# KiCad board the-nicholas-van V1.kicad_pcb
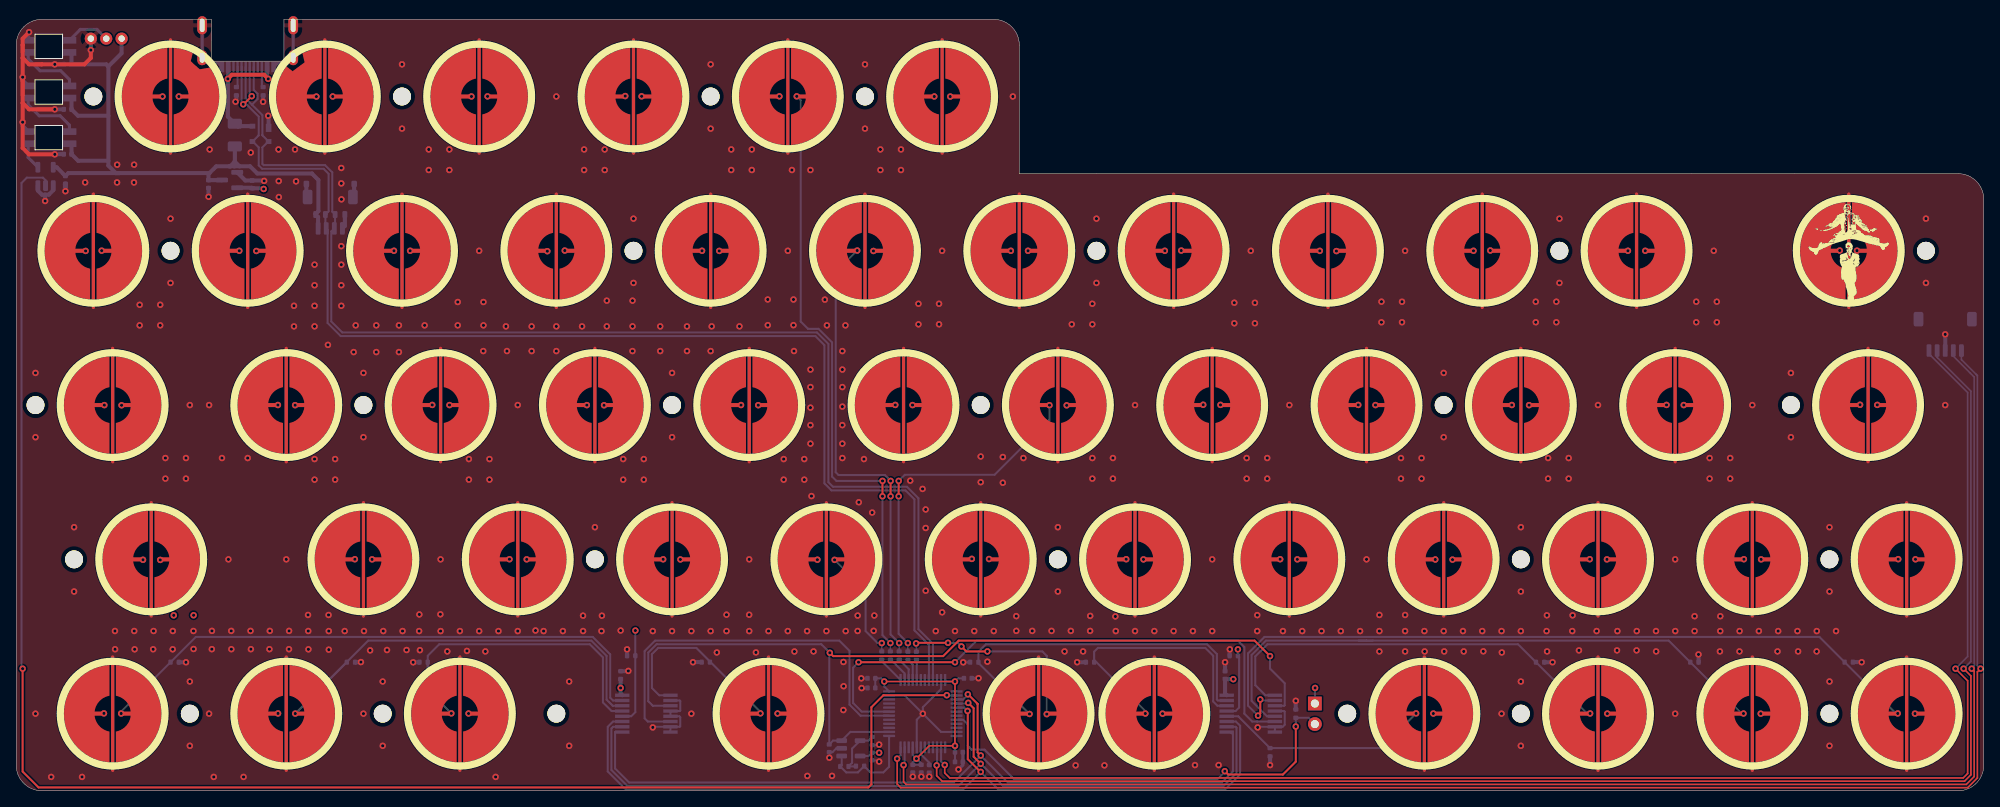
[diagram p0: board, top side]
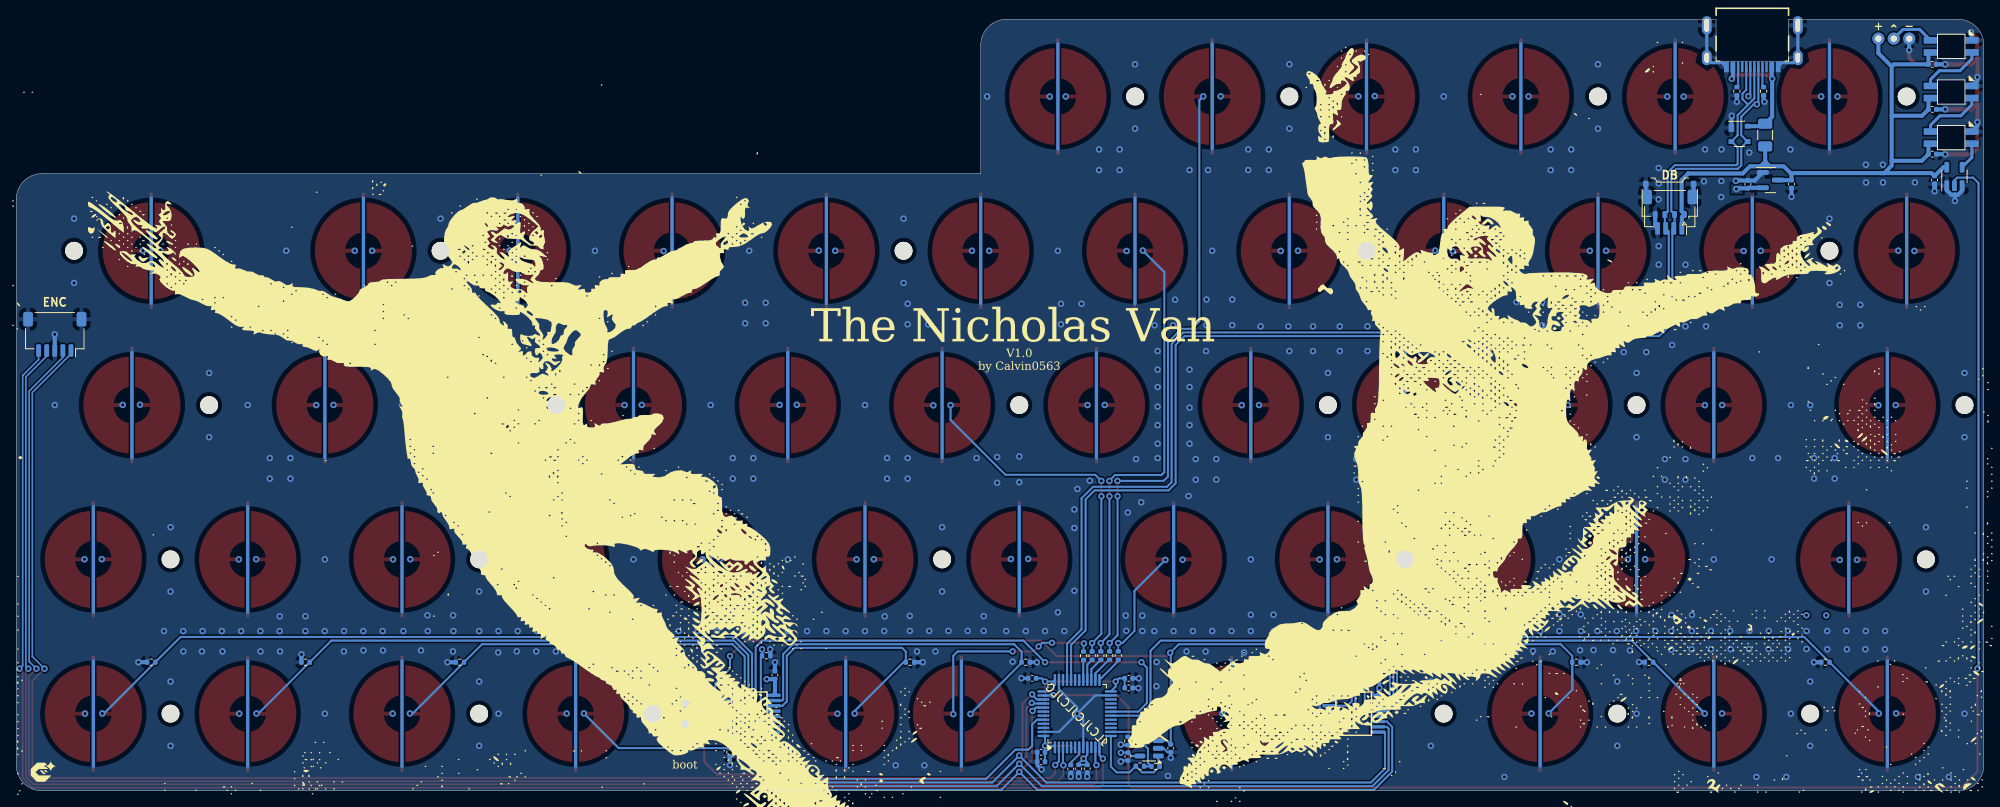
[diagram p1: board, bottom side, seen from below]

Outline 242.89 x 95.25 mm; copper layers: Top, In1.Cu, In2.Cu, Bottom. Coordinates in mm from the lower left corner of the outline.
Outline path: 0,92.08 arc(0.93,94.32) 3.18,95.25 24.11,95.25 24.11,90.09 33.05,90.09 33.05,95.25 120.65,95.25 arc(122.9,94.32) 123.83,92.08 123.83,76.2 239.71,76.2 arc(241.96,75.27) 242.89,73.03 242.89,3.18 arc(241.96,0.93) 239.71,0 3.18,0 arc(0.93,0.93) 0,3.18 0,92.08
Stack: Top 0.035mm / dielectric 0.2mm 7628 er 4.6 / In1.Cu 0.0175mm / dielectric 1.065mm FR4 er 4.5 / In2.Cu 0.0175mm / dielectric 0.2mm 7628 er 4.6 / Bottom 0.035mm

## Placement (name value [footprint] x y rotation side)
C1  100nf  [C_0402_1005Metric]  117.48 13.89 0 bottom
C2  100nf  [C_0402_1005Metric]  105.57 12.7 180 bottom
C3  100nf  [C_0402_1005Metric]  116.37 4.76 0 bottom
C4  100nf  [C_0402_1005Metric]  105.57 13.89 180 bottom
C5  10uF  [C_0402_1005Metric]  116.37 3.58 0 bottom
C6  100nf  [C_0402_1005Metric]  110.67 2.73 270 bottom
C7  100nf  [C_0402_1005Metric]  112.71 2.71 270 bottom
C8  1uF  [C_0402_1005Metric]  111.73 2.73 270 bottom
C9  100n  [C_0402_1005Metric]  6.35 89.69 180 bottom
C10  100n  [C_0402_1005Metric]  6.35 84.14 180 bottom
C11  100n  [C_0402_1005Metric]  6.35 78.6 180 bottom
C12  100n  [C_0402_1005Metric]  6.08 75.43 270 bottom
C13  1u  [C_0402_1005Metric]  23.74 74.91 270 bottom
C14  1u  [C_0402_1005Metric]  29.13 74.87 90 bottom
C15  100nF  [C_0402_1005Metric]  105.65 4.24 90 bottom
C16  100n  [C_0402_1005Metric]  74.61 14.29 90 bottom
C17  220pF NP0  [C_0402_1005Metric]  100.36 5.25 270 bottom
C18  100n  [C_0402_1005Metric]  149.23 14.29 90 bottom
D1  PRTR5V0U2X  [SOT-143]  30.16 81.11 180 bottom
F_USBC1  500mA  [Fuse_1206_3216Metric]  26.99 80.96 270 bottom
G***  -  [LOGO]  226.22 66.68 0 top
G***#2  -  [LOGO]  105.57 35.72 180 bottom
G***#3  -  [LOGO]  239.71 2.38 180 bottom
H1  MountingHole  [HOLE_M2]  9.53 85.73 0 top
H2  MountingHole  [HOLE_M2]  47.62 85.73 0 top
H3  MountingHole  [HOLE_M2]  85.72 85.73 0 top
H4  MountingHole  [HOLE_M2]  104.77 85.73 0 top
H5  MountingHole  [HOLE_M2]  19.05 66.68 0 top
H6  MountingHole  [HOLE_M2]  76.2 66.68 0 top
H7  MountingHole  [HOLE_M2]  133.35 66.68 0 top
H8  MountingHole  [HOLE_M2]  190.5 66.68 0 top
H9  MountingHole  [HOLE_M2]  235.74 66.68 0 top
H10  MountingHole  [HOLE_M2]  2.38 47.62 0 top
H11  MountingHole  [HOLE_M2]  42.86 47.62 0 top
H12  MountingHole  [HOLE_M2]  80.96 47.62 0 top
H13  MountingHole  [HOLE_M2]  119.06 47.62 0 top
H14  MountingHole  [HOLE_M2]  176.21 47.62 0 top
H15  MountingHole  [HOLE_M2]  219.08 47.62 0 top
H16  MountingHole  [HOLE_M2]  7.14 28.58 0 top
H17  MountingHole  [HOLE_M2]  71.44 28.58 0 top
H18  MountingHole  [HOLE_M2]  128.59 28.58 0 top
H19  MountingHole  [HOLE_M2]  185.74 28.58 0 top
H20  MountingHole  [HOLE_M2]  223.84 28.58 0 top
H21  MountingHole  [HOLE_M2]  21.43 9.53 0 top
H22  MountingHole  [HOLE_M2]  45.24 9.53 0 top
H23  MountingHole  [HOLE_M2]  66.67 9.53 0 top
H24  MountingHole  [HOLE_M2]  164.31 9.53 0 top
H25  MountingHole  [HOLE_M2]  185.74 9.53 0 top
H26  MountingHole  [HOLE_M2]  223.84 9.53 0 top
J1  JST SH  [JST_SH_SM04B-SRSS-TB_1x04-1MP_P1.00mm_Horizontal]  38.77 71.44 0 bottom
J2  Pico EZmate  [Molex_Pico-EZmate_78171-0004_1x04-1MP_P1.20mm_Vertical]  38.77 73.03 0 bottom
J3  ARGB  [PinHeader_1x03_P1.27mm_Vertical]  9.84 92.87 270 bottom
J4  USB_C sink board 1.3mm  [USB4510031A]  28.57 93.36 0 bottom
J5  Conn_01x05  [JST_SH_SM05B-SRSS-TB_1x05-1MP_P1.00mm_Horizontal]  238.12 56.36 0 bottom
LED1  SK6812MINI-E  [SK6812-MINI-E]  4.03 80.65 180 bottom
LED2  SK6812MINI-E  [SK6812-MINI-E]  4.02 86.28 180 bottom
LED3  SK6812MINI-E  [SK6812-MINI-E]  4.02 91.91 180 bottom
R1  100  [R_0402_1005Metric]  111.12 16.67 90 bottom
R2  100  [R_0402_1005Metric]  106.85 16.7 270 bottom
R3  100  [R_0402_1005Metric]  107.91 16.7 90 bottom
R4  100  [R_0402_1005Metric]  109 16.7 90 bottom
R5  100  [R_0402_1005Metric]  110.07 16.69 90 bottom
R6  5.1k  [R_0402_1005Metric]  27.18 86.38 270 bottom
R7  5.1k  [R_0402_1005Metric]  30.48 86.38 270 bottom
R8  10k  [R_0402_1005Metric]  157.96 9.53 90 bottom
R9  100k  [R_0402_1005Metric]  50.29 15.88 180 bottom
R10  100k  [R_0402_1005Metric]  41.32 15.88 0 bottom
R11  100k  [R_0402_1005Metric]  19.56 15.88 0 bottom
R12  100k  [R_0402_1005Metric]  75.92 16.67 180 bottom
R13  100k  [R_0402_1005Metric]  85.12 15.89 180 bottom
R14  100k  [R_0402_1005Metric]  102.23 3.01 0 bottom
R15  1k  [R_0402_1005Metric]  105.67 6.15 270 bottom
R16  DNP  [R_0402_1005Metric]  104.17 3.04 180 bottom
R17  100k  [R_0402_1005Metric]  150.3 16.67 180 bottom
R18  100k  [R_0402_1005Metric]  132.56 15.88 180 bottom
R19  100k  [R_0402_1005Metric]  118.27 15.88 180 bottom
R20  100k  [R_0402_1005Metric]  154.78 4.76 270 bottom
R21  100k  [R_0402_1005Metric]  188.12 15.88 0 bottom
R22  100k  [R_0402_1005Metric]  207.17 15.88 0 bottom
R23  100k  [R_0402_1005Metric]  226.22 15.89 0 bottom
SW1  SKQGABE010  [PinSocket_1x02_P2.54mm_Vertical]  160.31 10.78 180 bottom
SW_EC1  Topre  [ecs_pad_1U_no_ring]  19.05 85.73 180 top
SW_EC2  Topre  [ecs_pad_1U_no_ring]  38.1 85.73 180 top
SW_EC3  Topre  [ecs_pad_1U_no_ring]  57.15 85.73 180 top
SW_EC4  Topre  [ecs_pad_1U_no_ring]  76.2 85.73 180 top
SW_EC5  Topre  [ecs_pad_1U_no_ring]  95.25 85.73 180 top
SW_EC6  Topre  [ecs_pad_1U_no_ring]  114.3 85.73 180 top
SW_EC7  Topre  [ecs_pad_1U_no_ring]  9.53 66.68 0 top
SW_EC8  Topre  [ecs_pad_1U_no_ring]  28.57 66.68 0 top
SW_EC9  Topre  [ecs_pad_1U_no_ring]  47.62 66.68 0 top
SW_EC10  Topre  [ecs_pad_1U_no_ring]  66.67 66.68 0 top
SW_EC11  Topre  [ecs_pad_1U_no_ring]  85.72 66.68 0 top
SW_EC12  Topre  [ecs_pad_1U_no_ring]  104.77 66.68 0 top
SW_EC13  Topre  [ecs_pad_1U_no_ring]  123.83 66.68 0 top
SW_EC14  Topre  [ecs_pad_1U_no_ring]  142.88 66.68 0 top
SW_EC15  Topre  [ecs_pad_1U_no_ring]  161.93 66.68 0 top
SW_EC16  Topre  [ecs_pad_1U_no_ring]  180.98 66.68 0 top
SW_EC17  Topre  [ecs_pad_1U_no_ring]  200.03 66.68 0 top
SW_EC18  Topre  [ecs_pad_1U_no_ring]  226.22 66.68 0 top
SW_EC19  Topre  [ecs_pad_1U_no_ring]  11.91 47.62 0 top
SW_EC20  Topre  [ecs_pad_1U_no_ring]  33.34 47.62 0 top
SW_EC21  Topre  [ecs_pad_1U_no_ring]  52.39 47.62 0 top
SW_EC22  Topre  [ecs_pad_1U_no_ring]  71.44 47.62 0 top
SW_EC23  Topre  [ecs_pad_1U_no_ring]  90.49 47.62 0 top
SW_EC24  Topre  [ecs_pad_1U_no_ring]  109.54 47.62 0 top
SW_EC25  Topre  [ecs_pad_1U_no_ring]  128.59 47.62 0 top
SW_EC26  Topre  [ecs_pad_1U_no_ring]  147.64 47.62 0 top
SW_EC27  Topre  [ecs_pad_1U_no_ring]  166.69 47.62 0 top
SW_EC28  Topre  [ecs_pad_1U_no_ring]  185.74 47.62 0 top
SW_EC29  Topre  [ecs_pad_1U_no_ring]  204.79 47.62 0 top
SW_EC30  Topre  [ecs_pad_1U_no_ring]  228.6 47.62 0 top
SW_EC31  Topre  [ecs_pad_1U_no_ring]  16.67 28.58 0 top
SW_EC32  Topre  [ecs_pad_1U_no_ring]  42.86 28.58 180 top
SW_EC33  Topre  [ecs_pad_1U_no_ring]  61.91 28.58 180 top
SW_EC34  Topre  [ecs_pad_1U_no_ring]  80.96 28.58 180 top
SW_EC35  Topre  [ecs_pad_1U_no_ring]  100.01 28.58 180 top
SW_EC36  Topre  [ecs_pad_1U_no_ring]  119.06 28.58 0 top
SW_EC37  Topre  [ecs_pad_1U_no_ring]  138.11 28.58 180 top
SW_EC38  Topre  [ecs_pad_1U_no_ring]  157.16 28.58 180 top
SW_EC39  Topre  [ecs_pad_1U_no_ring]  176.21 28.58 180 top
SW_EC40  Topre  [ecs_pad_1U_no_ring]  195.26 28.58 180 top
SW_EC41  Topre  [ecs_pad_1U_no_ring]  214.31 28.58 180 top
SW_EC42  Topre  [ecs_pad_1U_no_ring]  233.36 28.58 0 top
SW_EC43  Topre  [ecs_pad_1U_no_ring]  11.91 9.53 0 top
SW_EC44  Topre  [ecs_pad_1U_no_ring]  33.34 9.53 0 top
SW_EC45  Topre  [ecs_pad_1U_no_ring]  54.77 9.53 180 top
SW_EC46  Topre  [ecs_pad_1U_no_ring]  92.87 9.53 180 top
SW_EC47  Topre  [ecs_pad_1U_no_ring]  126.21 9.53 180 top
SW_EC48  Topre  [ecs_pad_1U_no_ring]  140.49 9.53 180 top
SW_EC49  Topre  [ecs_pad_1U_no_ring]  173.83 9.53 180 top
SW_EC50  Topre  [ecs_pad_1U_no_ring]  195.26 9.53 180 top
SW_EC51  Topre  [ecs_pad_1U_no_ring]  214.31 9.53 180 top
SW_EC52  Topre  [ecs_pad_1U_no_ring]  233.36 9.53 180 top
U1  STM32F072CBUx  [LQFP-48_7x7mm_P0.5mm]  111.92 9.53 90 bottom
U2  74AHCT1G125  [SOT-23-5]  3.63 75.85 90 bottom
U3  XC6206PxxxMR  [SOT-23]  26.34 75.41 180 bottom
U4  74HC4051  [TSSOP16]  77.79 9.53 270 bottom
U5  OPA354  [SOT-23-5]  103.04 5.25 0 bottom
U6  74HC4051  [TSSOP16]  152.4 9.53 270 bottom

## Library data of the parts
C1-C14 C16 C18 = -: ki_fp_filters: C_*
C15 = -: LCSC: C307331; ki_fp_filters: C_*
C17 = -: LCSC: C1530; ki_fp_filters: C_*
D1 = -: Datasheet: https://assets.nexperia.com/documents/data-sheet/PRTR5V0U2X.pdf; ki_fp_filters: SOT?143*
F_USBC1 = -: ki_fp_filters: *polyfuse* *PTC*
H1-H26 = -: ki_fp_filters: MountingHole*
J1 J2 J5 = -: ki_fp_filters: Connector*:*_1x??-1MP*
J3 = -: ki_fp_filters: Connector*:*_1x??_*
J4 = -: Datasheet: https://datasheet.lcsc.com/lcsc/2206021145_G-Switch-GT-USB-7014G_C3019717.pdf; JlcPosOffset: 0,1.35; JlcRotOffset: 180; LCSC: C3019717; ki_fp_filters: USB*C*Receptacle*
R1-R5 = -: LCSC: C25076; ki_fp_filters: R_*
R6-R13 R16-R23 = -: ki_fp_filters: R_*
R14 = -: LCSC: C25741; ki_fp_filters: R_*
R15 = -: LCSC: C11702; ki_fp_filters: R_*
U1 = -: Datasheet: https://www.st.com/resource/en/datasheet/stm32f072cb.pdf; ki_fp_filters: QFN*1EP*7x7mm*P0.5mm*
U2 = -: Datasheet: http://www.ti.com/lit/sg/scyt129e/scyt129e.pdf; Description: Single Buffer Gate Tri-State, Low-Voltage CMOS; ki_fp_filters: SOT* SG-*
U3 = -: Datasheet: https://www.torexsemi.com/file/xc6206/XC6206.pdf; ki_fp_filters: SOT?23*
U4 U6 = -: Datasheet: http://www.ti.com/lit/ds/symlink/cd74hc4051.pdf; ki_fp_filters: DIP*W7.62mm* SOIC*3.9x9.9mm*P1.27mm* SOIC*5.3x10.2mm*P1.27mm* TSSOP*4.4x5mm*P0.65mm*
U5 = -: Datasheet: https://www.ti.com/general/docs/suppproductinfo.tsp?distId=10&gotoUrl=https%3A%2F%2Fwww.ti.com%2Flit%2Fgpn%2Fopa356; ki_fp_filters: SOT?23*

## Footprints (pads in the part's own frame, mm; a bottom-side part is the same pattern mirrored in y, then rotated)
C_0402_1005Metric
  rrect 0.56x0.62 smd: 1(-0.48,0) 2(0.48,0)
ecs_pad_1U_no_ring
  custom 5.595x11.973 smd: 1(-1,0) 2(1,0)
  custom 0.4x14.4 smd: 3(0,0)
  custom 0.4x13.4 smd far side: 3(0,0)
Fuse_1206_3216Metric
  rrect 1.25x1.75 smd: 1(-1.4,0) 2(1.4,0)
HOLE_M2
  round 2.2 hole 2.2 unplated: (0,0)
JST_SH_SM04B-SRSS-TB_1x04-1MP_P1.00mm_Horizontal
  rrect 0.6x1.55 smd: 1(-1.5,2) 2(-0.5,2) 3(0.5,2) 4(1.5,2)
  rrect 1.2x1.8 smd: MP(-2.8,-1.875) MP(2.8,-1.875)
JST_SH_SM05B-SRSS-TB_1x05-1MP_P1.00mm_Horizontal
  rrect 0.6x1.55 smd: 1(-2,2) 2(-1,2) 3(0,2) 4(1,2) 5(2,2)
  rrect 1.2x1.8 smd: MP(-3.3,-1.875) MP(3.3,-1.875)
LQFP-48_7x7mm_P0.5mm
  rrect 1.475x0.3 smd: 1(-4.162,2.75) 2(-4.162,2.25) 3(-4.162,1.75) 4(-4.162,1.25) 5(-4.162,0.75) 6(-4.162,0.25) 7(-4.162,-0.25) 8(-4.162,-0.75) 9(-4.162,-1.25) 10(-4.162,-1.75) 11(-4.162,-2.25) 12(-4.162,-2.75) 25(4.162,-2.75) 26(4.162,-2.25) 27(4.162,-1.75) 28(4.162,-1.25) 29(4.162,-0.75) 30(4.162,-0.25) 31(4.162,0.25) 32(4.162,0.75) 33(4.162,1.25) 34(4.162,1.75) 35(4.162,2.25) 36(4.162,2.75)
  rrect 0.3x1.475 smd: 13(-2.75,-4.162) 14(-2.25,-4.162) 15(-1.75,-4.162) 16(-1.25,-4.162) 17(-0.75,-4.162) 18(-0.25,-4.162) 19(0.25,-4.162) 20(0.75,-4.162) 21(1.25,-4.162) 22(1.75,-4.162) 23(2.25,-4.162) 24(2.75,-4.162) 37(2.75,4.162) 38(2.25,4.162) 39(1.75,4.162) 40(1.25,4.162) 41(0.75,4.162) 42(0.25,4.162) 43(-0.25,4.162) 44(-0.75,4.162) 45(-1.25,4.162) 46(-1.75,4.162) 47(-2.25,4.162) 48(-2.75,4.162)
Molex_Pico-EZmate_78171-0004_1x04-1MP_P1.20mm_Vertical
  rrect 0.6x0.85 smd: 1(-1.8,1.875) 2(-0.6,1.875) 3(0.6,1.875) 4(1.8,1.875)
  rrect 0.7x0.8 smd: MP(-2.95,-1.9) MP(2.95,-1.9)
PinHeader_1x03_P1.27mm_Vertical
  round 1.5 hole 0.8: 1(0,0.63) 2(0,-1.27) 3(0,-3.17)
PinSocket_1x02_P2.54mm_Vertical
  rect 1.7x1.7 hole 1: 1(0,0)
  oval 1.7x1.7 hole 1: 2(0,-2.54)
R_0402_1005Metric
  rrect 0.54x0.64 smd: 1(-0.51,0) 2(0.51,0)
SK6812-MINI-E
  rect 1.7x0.82 smd: 1(-2.55,-0.75) 2(-2.55,0.75) 4(2.55,-0.75)
  rrect 1.7x0.82 smd: 3(2.55,0.75)
SOT-23
  rrect 1.475x0.6 smd: 1(-0.938,0.95) 2(-0.938,-0.95) 3(0.938,0)
SOT-23-5
  rrect 1.325x0.6 smd: 1(-1.137,0.95) 2(-1.137,0) 3(-1.137,-0.95) 4(1.137,-0.95) 5(1.137,0.95)
SOT-143
  rect 0.7x1 smd: 1(-1,0.75)
  rect 0.7x0.6 smd: 2(-1,-0.95) 3(1,-0.95) 4(1,0.95)
TSSOP16
  rect 0.419x1.778 smd: 1(-2.273,-2.974) 2(-1.623,-2.974) 3(-0.973,-2.974) 4(-0.323,-2.974) 5(0.323,-2.974) 6(0.973,-2.974) 7(1.623,-2.974) 8(2.273,-2.974) 9(2.273,2.974) 10(1.623,2.974) 11(0.973,2.974) 12(0.323,2.974) 13(-0.323,2.974) 14(-0.973,2.974) 15(-1.623,2.974) 16(-2.273,2.974)
USB4510031A
  rect 0.6x1.3 smd: A1(-3.2,4) A4(-2.4,4) A9(2.4,4) A12(3.2,4)
  rect 0.3x1.3 smd: A5(-1.25,4) A6(-0.25,4) A7(0.25,4) A8(1.25,4) B5(1.75,4) B6(0.75,4) B7(-0.75,4) B8(-1.75,4)
  oval 1.2x2.25 hole 0.6x1.65: S1(-5.62,-1.15) S1(5.62,-1.15)
  oval 1.2x1.85 hole 0.6x1.25: S1(-5.62,2.85) S1(5.62,2.85)

## Nets
+3V3: C1.1 C2.1 C3.1 C4.1 C5.1 C6.1 C8.1 C14.1 C15.2 C16.1 C18.1 SW1.1 U1.1 U1.9 U1.24 U1.36 U1.48 U3.2 U4.16 U5.5 U6.16
+5V: C9.1 C10.1 C11.1 C12.1 C13.1 F_USBC1.2 J1.1 J2.1 J3.3 LED1.1 LED2.1 LED3.1 U2.5 U3.3
GND: C1.2 C2.2 C3.2 C4.2 C5.2 C6.2 C7.2 C8.2 C9.2 C10.2 C11.2 C12.2 C13.2 C14.2 C15.1 C16.2 C17.2 C18.2 D1.1 J1.4 J1.MP J2.4 J2.MP J3.1 J4.A1 J4.A12 J4.S1 J5.3 J5.MP LED1.3 LED2.3 LED3.3 R6.2 R7.2 R8.2 R9.2 R10.2 R11.2 R12.2 R13.2 R15.2 R17.2 R18.2 R19.2 R20.2 R21.2 R22.2 R23.2 SW_EC1.3 SW_EC2.3 SW_EC3.3 SW_EC4.3 SW_EC5.3 SW_EC6.3 SW_EC7.3 SW_EC8.3 SW_EC9.3 SW_EC10.3 SW_EC11.3 SW_EC12.3 SW_EC13.3 SW_EC14.3 SW_EC15.3 SW_EC16.3 SW_EC17.3 SW_EC18.3 SW_EC19.3 SW_EC20.3 SW_EC21.3 SW_EC22.3 SW_EC23.3 SW_EC24.3 SW_EC25.3 SW_EC26.3 SW_EC27.3 SW_EC28.3 SW_EC29.3 SW_EC30.3 SW_EC31.3 SW_EC32.3 SW_EC33.3 SW_EC34.3 SW_EC35.3 SW_EC36.3 SW_EC37.3 SW_EC38.3 SW_EC39.3 SW_EC40.3 SW_EC41.3 SW_EC42.3 SW_EC43.3 SW_EC44.3 SW_EC45.3 SW_EC46.3 SW_EC47.3 SW_EC48.3 SW_EC49.3 SW_EC50.3 SW_EC51.3 SW_EC52.3 U1.8 U1.23 U1.35 U1.47 U2.1 U2.3 U3.1 U4.2 U4.4 U4.5 U4.7 U4.8 U5.2 U6.4 U6.7 U6.8
VCC: D1.4 F_USBC1.1 J4.A4 J4.A9
ADC: R14.1 R16.1 U1.13 U5.1
AMUX_SEL_0: U1.41 U4.11 U6.11
AMUX_SEL_1: U1.40 U4.10 U6.10
AMUX_SEL_2: U1.39 U4.9 U6.9
APLEX_EN_PIN_0: U1.18 U4.6
APLEX_EN_PIN_1: U1.19 U6.6
APLEX_OUT: C17.1 U1.14 U4.3 U5.3 U6.3
ARGB: J3.2 LED3.2
ARGB_3V3: U1.38 U2.2
ARGB_5V: LED1.4 U2.4
BOOT0: R8.1 SW1.2 U1.44
COL0: R11.1 SW_EC1.2 SW_EC7.2 SW_EC19.2 SW_EC31.2 SW_EC43.2 U4.15
COL1: R10.1 SW_EC2.2 SW_EC8.2 SW_EC20.2 SW_EC32.2 SW_EC44.2 U4.14
COL2: R9.1 SW_EC3.2 SW_EC9.2 SW_EC21.2 SW_EC33.2 SW_EC45.2 U4.13
COL3: R12.1 SW_EC4.2 SW_EC10.2 SW_EC22.2 SW_EC34.2 U4.12
COL4: R13.1 SW_EC5.2 SW_EC11.2 SW_EC23.2 SW_EC35.2 SW_EC46.2 U4.1
COL5: R19.1 SW_EC6.2 SW_EC12.2 SW_EC24.2 SW_EC36.2 SW_EC47.2 U6.15
COL6: R18.1 SW_EC13.2 SW_EC25.2 SW_EC37.2 SW_EC48.2 U6.14
COL7: R17.1 SW_EC14.2 SW_EC26.2 SW_EC38.2 U6.13
COL8: R20.1 SW_EC15.2 SW_EC27.2 SW_EC39.2 SW_EC49.2 U6.12
COL9: R21.1 SW_EC16.2 SW_EC28.2 SW_EC40.2 SW_EC50.2 U6.1
COL10: R22.1 SW_EC17.2 SW_EC29.2 SW_EC41.2 SW_EC51.2 U6.5
COL11: R23.1 SW_EC18.2 SW_EC30.2 SW_EC42.2 SW_EC52.2 U6.2
D+: D1.2 J1.3 J2.3 J4.A6 J4.B6 U1.33
D-: D1.3 J1.2 J2.2 J4.A7 J4.B7 U1.32
ENC1: J5.2 U1.3
ENC2: J5.4 U1.11
NRST: C7.1 U1.7
ROW0: R3.2 SW_EC1.1 SW_EC2.1 SW_EC3.1 SW_EC4.1 SW_EC5.1 SW_EC6.1
ROW1: R4.2 SW_EC7.1 SW_EC8.1 SW_EC9.1 SW_EC10.1 SW_EC11.1 SW_EC12.1 SW_EC13.1 SW_EC14.1 SW_EC15.1 SW_EC16.1 SW_EC17.1 SW_EC18.1
ROW2: R5.2 SW_EC19.1 SW_EC20.1 SW_EC21.1 SW_EC22.1 SW_EC23.1 SW_EC24.1 SW_EC25.1 SW_EC26.1 SW_EC27.1 SW_EC28.1 SW_EC29.1 SW_EC30.1
ROW3: R2.1 SW_EC31.1 SW_EC32.1 SW_EC33.1 SW_EC34.1 SW_EC35.1 SW_EC36.1 SW_EC37.1 SW_EC38.1 SW_EC39.1 SW_EC40.1 SW_EC41.1 SW_EC42.1
ROW4: R1.2 SW_EC43.1 SW_EC44.1 SW_EC45.1 SW_EC46.1 SW_EC47.1 SW_EC48.1 SW_EC49.1 SW_EC50.1 SW_EC51.1 SW_EC52.1
SW1: J5.1 U1.2
SW2: J5.5 U1.12
Net-(J4-CC1): J4.A5 R6.1
Net-(J4-CC2): J4.B5 R7.1
Net-(LED1-DOUT): LED1.2 LED2.4
Net-(LED2-DOUT): LED2.2 LED3.4
Net-(U1-PA8): R1.1 U1.29
Net-(U1-PB12): R2.2 U1.25
Net-(U1-PB13): R3.1 U1.26
Net-(U1-PB14): R4.1 U1.27
Net-(U1-PB15): R5.1 U1.28
Net-(U5--): R14.2 R15.1 R16.2 U5.4

Pads without a net: J4 A8 B8; U1 4 5 6 10 15 16 17 20 21 22 30 31 34 37 42 43 45 46

## Via types
v1: diameter 0.8, hole 0.4, Top to Bottom, 617 vias

## Routing (per net, layer and track width the routed paths; a pad name or vN(x,y) marks a point on that pad's centre or on a via; arc(x,y) is an arc through that point)
+3V3: length 51.9
  Top w0.2: v1(107.16,13.49) v1(115.89,13.49) v1(115.89,5.56) 112.71,5.56 v1(111.12,3.97)
  Bottom w0.25: U1.36 114.86,13.49 v1(115.89,13.49) 116.28,13.89 C1.1 ; U1.1 114.86,5.56 v1(115.89,5.56) ; v1(115.89,5.56) 115.89,6.58 U1.48 ; v1(115.89,5.56) C3.1 C5.1 ; v1(111.12,3.97) 111.73,3.36 C8.1 C6.1 110.67,3.52 v1(111.12,3.97) ; v1(111.12,3.97) 110.67,4.43 U1.9 ; v1(160.34,12.7) 160.31,12.68 SW1.1 ; C2.1 C4.1 106.76,13.89 v1(107.16,13.49) 107.16,12.88 U1.24 ; v1(106.53,4.7) 106.51,4.72 C15.2 105.23,4.3 U5.5 ; v1(74.61,12.7) C16.1
  Bottom w0.5: 74.81,11.81 74.8,11.81 74.61,12 C16.1 ; v1(30.55,74.3) 30.46,74.39 C14.1 29.06,74.46 U3.2 ; v1(150.24,13.78) 149.25,13.78 C18.1 149.23,12 149.42,11.81 149.43,11.81
+5V: length 84.6
  Bottom w0.5: 23.85,76.26 24.69,77.11 26.42,77.11 ; 23.85,76.26 12.7,76.26 ; 23.85,76.26 23.74,76.15 C13.1 25.39,75.39 U3.3 ; 11.38,83.34 7.62,83.34 C10.1 6.83,85.27 LED2.1 ; 11.38,83.34 11.38,77.79 ; 11.38,83.34 11.38,89.43 ; 11.38,89.43 13.01,91.07 J3.3 ; 11.38,89.43 11.11,89.69 C9.1 6.83,90.9 LED3.1 ; 26.92,77.11 26.99,77.17 26.99,77.79 ; 26.92,77.11 26.29,77.11 26.42,77.11 ; 26.92,77.11 27.56,77.11 ; 11.38,77.79 11.38,77.19 12.3,76.26 12.7,76.26 ; 11.38,77.79 7.65,77.79 C11.1 6.83,79.64 LED1.1 ; J1.1 37.27,70.85 J2.1 36.97,71.22 37.31,71.56 37.31,75.41 36.51,76.2 36.51,76.22 29.76,76.22 28.87,77.11 27.56,77.11 ; 26.99,77.79 F_USBC1.2 ; 26.99,77.79 26.99,77.68 ; 27.56,77.11 26.99,77.68 ; 12.7,76.26 6.43,76.26 C12.1 5,76.99 U2.5 ; 26.99,77.68 26.42,77.11
GND: length 144.3
  Top w0.5: 0.79,84.93 1.59,84.14 v1(4.76,84.14) 2.61,84.14 ; 0.79,84.93 v1(0.79,82.55) 0.79,79.38 1.59,78.58 v1(4.76,78.58) ; 0.79,84.93 0.79,90.49 ; v1(1.59,93.66) 0.79,92.87 0.79,92.08 ; 2.38,89.69 3.18,89.69 ; 3.18,89.69 1.59,89.69 0.79,90.49 ; 3.18,89.69 v1(4.76,89.69) 8.43,89.69 9.21,90.48 v1(9.21,91.45) ; 0.79,90.49 0.79,92.08 ; v1(0.79,88.11) 0.79,85.95 ; 0.79,92.08 0.79,91.28
  Bottom w0.25: C15.1 106.48,3.76 106.53,3.71 ; U4.7 81.9,7.9 81.98,7.98 81.98,9.09 81.86,9.2 U4.5 U4.4 81.9,9.85 81.98,9.92 81.98,11.07 81.9,11.15 U4.2 ; U4.7 78.66,7.9 v1(78.58,7.83) ; U4.7 U4.8 ; U1.47 114.17,7.28 v1(111.92,9.53) ; 106.47,5.64 106.53,5.7 ; C7.2 v1(112.71,1.75) ; U6.7 156.33,7.9 156.59,8.16 156.59,9.77 156.51,9.85 U6.4 ; U6.7 153.33,7.9 v1(153.25,7.83) ; U6.7 U6.8 ; U1.35 114.17,12.57 111.92,10.32 v1(111.92,9.53) ; v1(111.92,9.53) 111.17,8.78 U1.8 ; v1(111.92,9.53) 109.67,11.78 U1.23 ; 106.39,3.76 106.43,3.71 ; v1(100.38,4.08) 100.36,4.1 C17.2 100.76,4.77 101.24,5.25 U5.2 ; C6.2 110.67,1.75 v1(110.68,1.75) ; R15.2 106.46,5.64 v1(106.53,5.7) ; C8.2 v1(111.73,1.75)